# KiCad board CosmicWatch-ventidue.kicad_pcb (continued)
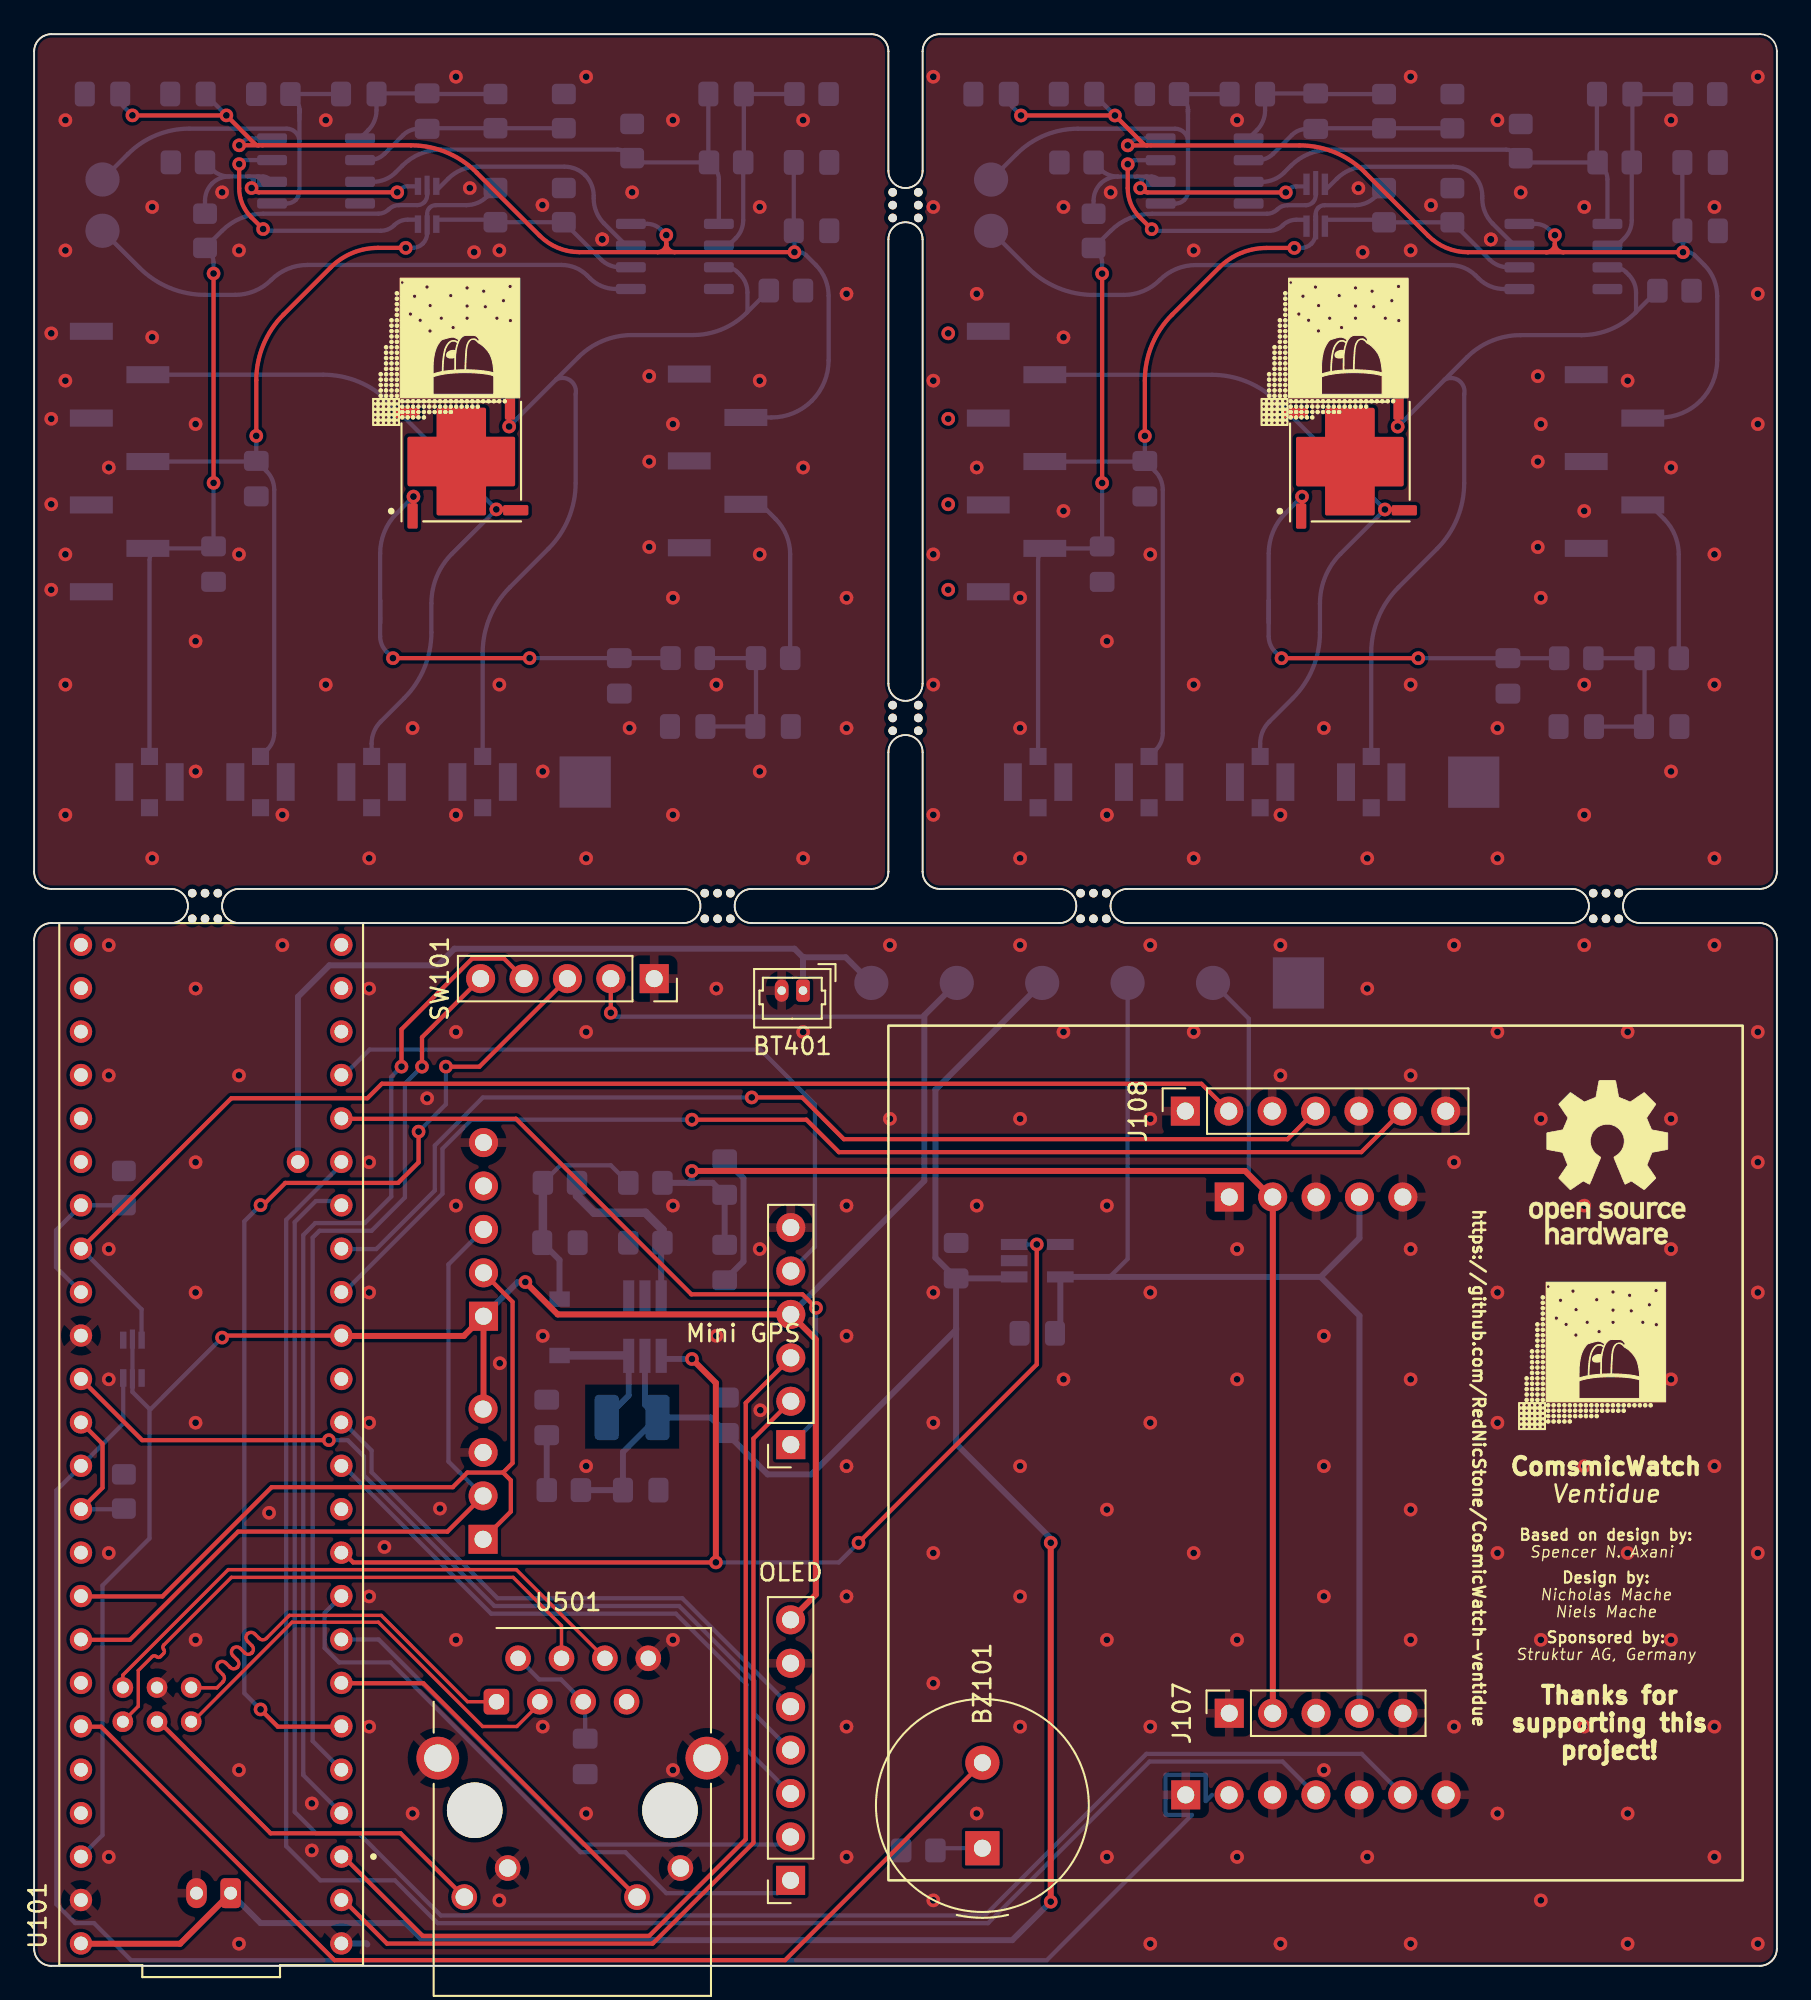
[diagram p0: board, top side]
## Nets
+3.3V: D101.2 D101.5 J109.4 J110.4 J111.7 J112.1 SW101.2 TP403.1 U101.3.3V_1 U101.3.3V_2
+3.6V: C402.1 J105.4 J107.4 TP402.1 U401.5
/Detector PCB 1/+3.6V: C301.1 C302.1 C306.1 C307.1 J101.2 U301.8 U302.8
/Detector PCB 1/GND: C301.2 C302.2 C303.2 C304.2 C305.2 C306.2 C307.2 C311.2 C312.2 J101.1 J101.3 J101.5 J102.1 J102.3 J102.5 J102.7 J301.2 J302.2 J303.2 J304.2 R303.2 R304.2 R306.2 R307.2 R309.2 R310.2 R312.2 TP303.1 U301.4 U302.4
/Detector PCB 2/+3.6V: C201.1 C202.1 C206.1 C207.1 J103.2 U201.8 U202.8
/Detector PCB 2/GND: C201.2 C202.2 C203.2 C204.2 C205.2 C206.2 C207.2 C211.2 C212.2 J103.1 J103.3 J103.5 J104.1 J104.3 J104.5 J104.7 J201.2 J202.2 J203.2 J204.2 R203.2 R204.2 R206.2 R207.2 R209.2 R210.2 R212.2 TP203.1 U201.4 U202.4
GND: BT401.2 C401.2 C402.2 C403.2 C404.2 C405.2 C406.2 C407.2 C408.2 C501.2 D101.1 D101.4 J105.1 J105.3 J105.5 J106.1 J106.3 J106.5 J106.7 J107.1 J107.3 J107.5 J108.1 J108.3 J108.5 J108.7 J109.3 J110.6 J111.6 J112.5 J401.2 R102.2 R105.2 R106.2 R401.1 SW101.1 TP401.1 U101.GND1 U101.GND2 U101.GND3 U101.GND5 U401.2 U402.1 U402.2 U501.8 U501.10 U501.12 U501.13
Vcc: C401.1 C404.1 C408.1 J401.1 L401.1 R404.2 TP406.1 U101.VIN U401.1 U402.5
+BATT: BT401.1 TP404.1 U101.VBAT
+V_{bias}: C406.1 C407.1 J105.2 J107.2 R403.2 TP405.1
/Buzzer: BZ101.2 U101.21
/D_{1}-F: D101.3 J106.2 U101.15
/D_{1}-P_{1}: J106.4 U101.27
/D_{1}-P_{2}: J106.6 U101.26
/D_{2}-F: D101.6 J108.2 U101.40
/D_{2}-P_{1}: J108.4 U101.25
/D_{2}-P_{2}: J108.6 U101.24
/Detector PCB 1/AMP_{1}: C308.2 R305.2 R306.1 TP301.1 U301.1 U301.5 U302.3
/Detector PCB 1/AMP_{2}: C310.2 R310.1 TP302.1 U302.5
/Detector PCB 1/F_{out}: D301.2 J102.2 J301.1
/Detector PCB 1/PEAK_{1}: C311.1 D302.2 J102.4 J304.1 R311.2
/Detector PCB 1/PEAK_{2}: C312.1 D302.5 J102.6 J303.1 R313.2
/Detector PCB 1/S_{out}: D301.3 J302.1 R303.1 U301.3
/Detector PCB 1/V_{bias}: J101.4 R301.1
/Detector PCB 2/AMP_{1}: C208.2 R205.2 R206.1 TP201.1 U201.1 U201.5 U202.3
/Detector PCB 2/AMP_{2}: C210.2 R210.1 TP202.1 U202.5
/Detector PCB 2/F_{out}: D201.2 J104.2 J201.1
/Detector PCB 2/PEAK_{1}: C211.1 D202.2 J104.4 J204.1 R211.2
/Detector PCB 2/PEAK_{2}: C212.1 D202.5 J104.6 J203.1 R213.2
/Detector PCB 2/S_{out}: D201.3 J202.1 R203.1 U201.3
/Detector PCB 2/V_{bias}: J103.4 R201.1
/Eth-LED_{1}: U101.LED U501.9
/Eth-LED_{2}: U101.5 U501.11
/Eth-RX+: U101.R+ U501.4
/Eth-RX-: U101.R- U501.6
/Eth-TX+: U101.T+ U501.1
/Eth-TX-: U101.T- U501.3
/GPS-EN: J110.1 U101.28
/GPS-PPS: J110.5 U101.29
/GPS-RX: J110.2 U101.0
/GPS-TX: J110.3 U101.1
/I^{2}C-SCL: J109.2 J112.3 U101.19
/I^{2}C-SDA: J109.1 J112.2 U101.18
/OLED-DC: J111.2 U101.6
/OLED-RST: J111.1 U101.7
/PWR-~{SHDN}: U101.8 U401.3 U402.4
/Rot-BTN: SW101.3 U101.4
/Rot-IL: SW101.5 U101.3
/Rot-IR: SW101.4 U101.2
/SPI-CLK: J111.4 U101.13
/SPI-CS_{1}: J111.3 U101.10
/SPI-CS_{2}: U101.36
/SPI-CS_{3}: U101.37
/SPI-M_{I}S_{O}: U101.12
/SPI-M_{O}S_{I}: J111.5 U101.11
Net-(BZ101-Pad1): BZ101.1 R102.1
Net-(C203-Pad1): C203.1 C204.1 R201.2 R202.1
Net-(C205-Pad1): C205.1 D201.1 R202.2
Net-(C208-Pad1): C208.1 R204.1 R205.1 U201.2
Net-(C209-Pad1): C209.1 R207.1 R208.1 U202.2
Net-(C209-Pad2): C209.2 C210.1 R208.2 U202.1
Net-(C303-Pad1): C303.1 C304.1 R301.2 R302.1
Net-(C305-Pad1): C305.1 D301.1 R302.2
Net-(C308-Pad1): C308.1 R304.1 R305.1 U301.2
Net-(C309-Pad1): C309.1 R307.1 R308.1 U302.2
Net-(C309-Pad2): C309.2 C310.1 R308.2 U302.1
Net-(C403-Pad1): C403.1 R404.1
Net-(C405-Pad1): C405.1 D401.1 R402.2 R403.1
Net-(C501-Pad1): C501.1 U501.2 U501.5
Net-(D202-Pad1): D202.1 R209.1 R211.1 U201.6
Net-(D202-Pad3): D202.3 U202.7
Net-(D202-Pad4): D202.4 R212.1 R213.1 U202.6
Net-(D202-Pad6): D202.6 U201.7
Net-(D302-Pad1): D302.1 R309.1 R311.1 U301.6
Net-(D302-Pad3): D302.3 U302.7
Net-(D302-Pad4): D302.4 R312.1 R313.1 U302.6
Net-(D302-Pad6): D302.6 U301.7
Net-(D401-Pad2): D401.2 L401.2 U402.6
Net-(R105-Pad1): R105.1 U101.14 U101.16
Net-(R106-Pad1): R106.1 U101.39 U101.41
Net-(R401-Pad2): R401.2 R402.1 U402.3

Pads without a net: D201 4 MP; D301 4 MP; J112 4; U101 9 17 20 22 23 30 31 32 33 34 35 38; U401 4; U501 7

## Via types
v1: diameter 0.8, hole 0.4, Top to Bottom, 306 vias

## Routing (per net, layer and track width the routed paths; a pad name or vN(x,y) marks a point on that pad's centre or on a via; arc(x,y) is an arc through that point)
+3.3V: length 142
  Top w0.25: v1(33.75,55.75) SW101.2 ; U101.3.3V_1 11.12,36.87 v1(11,36.75)
  Top w0.35: v1(28.75,40) 30.64,38.11 J110.4 45.75,36.64 45.75,21.71 J111.7 ; J109.4 26.3,32.59 J112.1 25.15,36.85 18.12,36.85
  Bottom w0.25: 6.75,32.57 6.75,25 4,22.25 4,7.65 U101.3.3V_2 ; 6.75,32.57 5.75,33.57 D101.2 D101.5 ; 6.75,32.57 6.82,32.57 v1(11,36.75) ; 52.1,55.6 52.03,55.53 33.98,55.53 v1(33.75,55.75)
  Bottom w0.35: J110.4 52.1,45.92 52.1,55.6 TP403.1 ; J112.1 28.3,40 v1(28.75,40)
+3.6V: length 68.4
  Bottom w0.25: 62.95,40.3 64,41.35 TP402.1
  Bottom w0.35: 75.3,40.3 77.57,42.57 J105.4 ; 75.3,40.3 77.57,38.03 J107.4 ; 75.3,40.3 U401.5 60.06,37.31 C402.1
/Detector PCB 1/+3.6V: length 71.8
  Top w0.25: 25.89,104.91 29.59,101.21 arc(30.65,100.5) 31.91,100.25 36.5,100.25 ; 36.5,100.25 37.5,100.25 ; 36.5,100.25 arc(36.85,100.4) 37,100.75 ; 37.5,100.25 v1(44.5,100.25) ; 37.5,100.25 arc(37.15,100.4) 37,100.75 ; 13.13,106.5 v1(12,106.5) ; 13.13,106.5 22.05,106.5 arc(24.13,106.09) 25.9,104.91 ; 13.13,106.5 arc(13.01,106.52) 12.91,106.59 v1(11.25,108.25) v1(5.75,108.25) ; v1(37,101.25) 37,100.75
  Bottom w0.25: C301.1 44.46,101.53 arc(44.47,101.5) 44.48,101.48 arc(44.5,101.46) 44.5,101.44 v1(44.5,100.25) 44.75,100.25 arc(44.98,100.2) 45.18,100.07 45.75,99.5 arc(46.31,98.67) 46.5,97.69 46.5,93.92 arc(46.25,92.64) 45.52,91.56 arc(44.43,90.83) 43.15,90.58 J101.2 ; v1(5.75,108.25) 5.23,108.77 arc(5.09,108.98) 5.04,109.23 C306.1 ; v1(37,101.25) 36.67,101.58 arc(36.31,101.82) 35.88,101.91 U301.8 ; C307.1 10.04,109.48 arc(10.04,109.46) 10.05,109.45 v1(11.25,108.25) ; v1(12,106.5) 12.2,106.7 arc(12.43,106.85) 12.69,106.91 U302.8
/Detector PCB 1/GND: length 0.2
  Bottom w0.25: C307.2 8,109.46 ; 46.5,105.46 C301.2 ; 46.5,101.54 C302.2
  vias: v1(1,95.5) v1(1,90.5) v1(1,85.5) v1(1,80.5) v1(1.83,107.97) v1(1.83,100.35) v1(1.83,92.73) v1(1.83,82.57) v1(1.83,74.95) v1(1.83,67.33) v1(4.37,87.65) v1(6.91,102.89) v1(6.91,95.27) v1(6.91,64.79) v1(9.45,90.19) v1(9.45,77.49) v1(9.45,69.87) v1(11,103.75) v1(11.99,100.35) v1(11.99,82.57) v1(14.53,67.33) v1(17.07,107.97) v1(17.07,74.95) v1(19.61,64.79) v1(22.15,72.41) v1(24.69,110.51) v1(24.69,67.33) v1(25.5,104) v1(25.75,100.25) v1(27.23,100.35) v1(27.23,74.95) v1(29.75,103) v1(29.77,69.87) v1(32.31,110.51) v1(32.31,64.79) v1(33.25,101) v1(33.25,101) v1(34.85,72.41) v1(35,103.75) v1(36,93) v1(36,88) v1(36,83) v1(37.39,107.97) v1(37.39,90.19) v1(37.39,80.03) v1(37.39,67.33) v1(39.93,74.95) v1(42.47,102.89) v1(42.47,92.73) v1(42.47,82.57) v1(42.47,69.87) v1(45.01,107.97) v1(45.01,87.65) v1(45.01,64.79) v1(47.55,97.81) v1(47.55,80.03) v1(47.55,72.41)
/Detector PCB 2/+3.6V: length 71.8
  Top w0.25: 65.13,106.5 v1(64.01,106.5) ; 65.13,106.5 74.06,106.5 arc(76.14,106.08) 77.91,104.9 ; 65.13,106.5 arc(65.02,106.52) 64.92,106.58 v1(63.26,108.25) v1(57.76,108.25) ; v1(96.51,100.25) 89.51,100.25 ; 89.51,100.25 88.51,100.25 ; 89.51,100.25 arc(89.16,100.39) 89.01,100.75 ; 88.51,100.25 83.92,100.25 arc(82.66,100.5) 81.6,101.21 77.9,104.9 ; 88.51,100.25 arc(88.86,100.39) 89.01,100.75 ; v1(89.01,101.25) 89.01,100.75
  Bottom w0.25: C207.1 62.05,109.48 arc(62.05,109.46) 62.06,109.44 v1(63.26,108.25) ; v1(57.76,108.25) 57.24,108.77 arc(57.1,108.98) 57.05,109.23 C206.1 ; v1(89.01,101.25) 88.68,101.57 arc(88.32,101.81) 87.89,101.9 U201.8 ; 93.66,90.57 95.16,90.57 arc(96.44,90.83) 97.53,91.55 arc(98.25,92.64) 98.51,93.92 98.51,97.68 arc(98.31,98.66) 97.76,99.5 97.19,100.07 arc(96.99,100.2) 96.76,100.25 v1(96.51,100.25) 96.51,101.43 arc(96.5,101.46) 96.49,101.48 arc(96.48,101.5) 96.47,101.52 C201.1 ; v1(64.01,106.5) 64.21,106.7 arc(64.44,106.85) 64.7,106.9 U202.8
/Detector PCB 2/GND: length 0.2
  Bottom w0.25: 98.51,101.53 98.55,101.5 ; 98.51,105.46 C201.2 ; C207.2 60.01,109.46
  vias: v1(52.63,110.51) v1(52.63,102.89) v1(52.63,92.73) v1(52.63,82.57) v1(52.63,74.95) v1(52.63,67.33) v1(55.17,97.81) v1(55.17,87.65) v1(57.71,80.03) v1(57.71,72.41) v1(57.71,64.79) v1(60.25,102.89) v1(60.25,95.27) v1(60.25,85.11) v1(62.79,77.49) v1(62.79,67.33) v1(63.01,103.75) v1(65.33,82.57) v1(67.87,100.35) v1(67.87,74.95) v1(67.87,64.79) v1(70.41,107.97) v1(72.95,67.33) v1(75.49,72.41) v1(77.51,104) v1(77.76,100.25) v1(78.03,64.79) v1(80.57,110.51) v1(80.57,100.35) v1(80.57,74.95) v1(81.76,103) v1(85.26,101) v1(85.26,101) v1(85.65,107.97) v1(85.65,72.41) v1(85.65,64.79) v1(87.01,103.75) v1(88.01,93) v1(88.01,88) v1(88.01,83) v1(88.19,90.19) v1(88.19,80.03) v1(90.73,102.89) v1(90.73,85.11) v1(90.73,74.95) v1(90.73,67.33) v1(93.27,92.73) v1(95.81,107.97) v1(95.81,87.65) v1(95.81,69.87) v1(98.35,102.89) v1(98.35,82.57) v1(98.35,74.95) v1(98.35,64.79) v1(100.89,110.51) v1(100.89,97.81) v1(100.89,90.19)
GND: length 9.8
  Bottom w0.25: 31.81,42.27 C405.2
  Bottom w0.35: C407.2 41.52,46.08 41.52,41.2 C406.2 40.41,39.9 ; U101.GND1 19.44,1.31 19.5,1.25
  vias: v1(4.37,59.71) v1(4.37,52.09) v1(4.37,41.93) v1(4.37,34.31) v1(4.37,24.15) v1(4.37,6.37) v1(9.45,57.17) v1(9.45,47.01) v1(9.45,39.39) v1(9.45,31.77) v1(9.45,19.07) v1(11.99,52.09) v1(11.99,11.45) v1(11.99,1.29) v1(13.75,26.5) v1(14.53,59.71) v1(16.25,9.5) v1(16.25,6.75) v1(19.61,57.17) v1(19.61,47.01) v1(19.61,39.39) v1(19.61,31.77) v1(19.61,21.61) v1(19.61,13.99) v1(20.5,24.5) v1(22.15,8.91) v1(23,50.75) v1(23.75,26.75) v1(24.69,54.63) v1(24.69,44.47) v1(24.69,19.07) v1(27.25,35.25) v1(27.23,3.83) v1(29.77,36.85) v1(29.77,13.99) v1(32.31,54.63) v1(32.31,29.23) v1(32.31,8.91) v1(37.39,44.47) v1(37.39,19.07) v1(37.39,11.45) v1(39.93,57.17) v1(39.93,36.85) v1(42.47,41.93) v1(42.5,32.5) v1(45.01,54.63) v1(47.55,44.47) v1(47.55,36.85) v1(47.55,29.23) v1(47.55,21.61) v1(47.55,13.99) v1(47.55,6.37) v1(50.09,59.71) v1(50.09,49.55) v1(52.63,39.39) v1(52.63,31.77) v1(52.63,24.15) v1(52.63,16.53) v1(52.63,3.83) v1(55.17,44.47) v1(55.17,8.91) v1(57.71,59.71) v1(57.71,49.55) v1(57.71,29.23) v1(57.71,21.61) v1(57.71,13.99) v1(60.25,54.63) v1(60.25,34.31) v1(62.79,44.47) v1(62.79,26.69) v1(62.79,19.07) v1(62.79,6.37) v1(65.33,59.71) v1(65.33,49.55) v1(65.33,39.39) v1(65.33,31.77) v1(65.33,13.99) v1(65.33,1.29) v1(67.87,54.63) v1(67.87,24.15) v1(70.41,41.93) v1(70.41,34.31) v1(70.41,19.07) v1(70.41,6.37) v1(72.95,59.71) v1(72.95,52.09) v1(72.95,1.29) v1(75.49,36.85) v1(75.49,29.23) v1(75.49,21.61) v1(75.49,11.45) v1(78.03,57.17) v1(78.03,6.37) v1(80.57,52.09) v1(80.57,41.93) v1(80.57,34.31) v1(80.57,26.69) v1(80.57,19.07) v1(80.57,1.29) v1(83.11,59.71) v1(83.11,47.01) v1(83.11,13.99) v1(85.65,54.63) v1(85.65,39.39) v1(85.65,31.77) v1(85.65,24.15) v1(85.65,8.91) v1(88.19,49.55) v1(88.19,19.07) v1(88.19,3.83) v1(90.73,59.71) v1(90.73,44.47) v1(90.73,36.85) v1(90.73,29.23) v1(90.73,13.99) v1(93.27,54.63) v1(93.27,24.15) v1(93.27,8.91) v1(93.27,1.29) v1(95.81,49.55) v1(95.81,41.93) v1(95.81,34.31) v1(95.81,19.07) v1(98.35,59.71) v1(98.35,29.23) v1(98.35,13.99) v1(98.35,6.37) v1(100.89,54.63) v1(100.89,47.01) v1(100.89,39.39) v1(100.89,24.15) v1(100.89,1.29)
Vcc: length 156.4
  Top w0.35: v1(59.5,3.75) v1(59.5,24.75) ; J401.1 8.54,1.29 2.88,1.29
  Bottom w0.35: R404.2 C408.1 34.46,30.05 L401.1 ; J401.1 13.25,2.5 21.75,2.5 22.75,1.5 57.25,1.5 v1(59.5,3.75) ; C401.1 52.75,41.42 52.75,51.25 TP406.1 ; C401.1 57.28,40.21 U401.1 ; C401.1 53.96,37.29 ; v1(59.5,24.75) 59.5,25 53.96,30.54 53.96,37.29 ; L401.1 35.75,32.82 U402.5 ; L401.1 39.6,32.08 C404.1 42.93,28.75 45.5,28.75 53.96,37.21 53.96,37.29
(no net):
  vias: v1(53.5,95.5) v1(53.5,90.5) v1(53.5,85.5) v1(53.5,80.5)
+BATT: length 47.2
  Bottom w0.35: 45.03,58.97 45.05,59 47.5,59 TP404.1 ; 45.03,58.97 45,58.95 BT401.1 ; 45.03,58.97 44.5,59.5 24.6,59.5 23.63,58.53 17.28,58.53 15.44,56.69 U101.VBAT
+V_{bias}: length 86.5
  Top w0.35: 72.5,14.8 72.5,44.88 70.88,46.5 v1(38.5,46.5) 38.6,46.6
  Bottom w0.25: TP405.1 71.1,55.41 71.1,46.37 J105.2
  Bottom w0.35: 38.3,45.8 39.72,45.8 C407.1 C406.1 ; 38.3,45.8 R403.2 ; 38.3,45.8 38.5,46 v1(38.5,46.5)
/Buzzer: length 63.1
  Top w0.25: BZ101.2 43.95,0.33 17.57,0.33 3.92,13.99 2.88,13.99
/D_{1}-F: length 112
  Bottom w0.25: 68.94,10 68.58,9.63 68.58,11.17 66.23,11.17 66.23,8.82 67.77,8.82 59.27,0.32 5.67,0.32 3.5,2.5 2.4,2.5 1.3,3.6 1.3,27.81 2.72,29.23 ; D101.3 5.21,31.72 U101.15
/D_{1}-P_{1}: length 108.3
  Bottom w0.25: 18.12,47.01 14.75,43.64 14.75,7 16.75,5 21.11,5 23.62,2.49 55.83,2.49 65.29,11.95 73.07,11.95 J106.4
/D_{1}-P_{2}: length 110.3
  Bottom w0.25: 18.12,44.47 17.85,44.74 16.49,44.74 15.25,43.5 15.25,9 16.5,7.75 19,7.75 23.81,2.94 55.64,2.94 65.1,12.4 77.7,12.4 J106.6
/D_{2}-F: length 78.7
  Top w0.25: J108.2 68.32,51.6 20.35,51.6 19.5,50.75 11.54,50.75 U101.40
  Bottom w0.25: U101.40 6.29,38.4 D101.6
/D_{2}-P_{1}: length 63.8
  Top w0.25: J108.4 73.36,48.36 47.39,48.36 44.95,50.8 v1(42,50.8)
  Bottom w0.25: 18.12,41.93 20.02,41.93 23.45,45.36 23.45,47.99 26.26,50.8 v1(42,50.8)
/D_{2}-P_{2}: length 69.5
  Top w0.25: v1(38.5,49.5) 45.2,49.5 47.1,47.6 77.68,47.6 J108.6
  Bottom w0.25: 18.12,39.39 23.9,45.17 23.9,47.8 25.6,49.5 v1(38.5,49.5)
/Detector PCB 1/AMP_{1}: length 62.1
  Bottom w0.25: 39.46,105.56 C308.2 ; U302.3 19.84,104.37 arc(20.55,104.51) 21.15,104.91 21.55,105.31 arc(22.59,106.01) 23.83,106.25 34.15,106.25 arc(34.47,106.19) 34.75,106 35.13,105.62 arc(35.26,105.53) 35.43,105.5 39.47,105.5 ; TP301.1 6.16,99.34 arc(7.92,98.16) 10,97.75 11.76,97.75 arc(12.91,97.98) 13.88,98.62 arc(14.84,99.27) 15.99,99.5 30.88,99.5 arc(31.68,99.34) 32.37,98.88 32.53,98.72 arc(33.22,98.26) 34.04,98.09 U301.5 ; U301.1 40.08,104.52 arc(40,104.89) 39.79,105.21 R305.2
/Detector PCB 1/AMP_{2}: length 23.4
  Bottom w0.25: 15.53,106.72 15.53,108.6 arc(15.46,108.95) 15.26,109.24 arc(15.23,109.41) 15.37,109.5 C310.2 ; 15.53,106.72 15.53,103.83 arc(15.47,103.55) 15.31,103.31 arc(15.07,103.15) 14.79,103.09 U302.5 ; 15.53,106.72 arc(15.31,107.26) 14.78,107.47 9.08,107.47 arc(7.14,107.09) 5.49,105.99 TP302.1
/Detector PCB 1/F_{out}: length 41.6
  Top w0.25: D301.2 28.16,85.17 arc(28.13,85.19) 28.1,85.2 v1(27.05,85.2)
  Bottom w0.25: J301.1 19.75,71.5 arc(19.89,72.19) 20.28,72.78 21.66,74.16 arc(22.84,75.92) 23.25,78 23.25,79.7 arc(23.56,81.27) 24.45,82.6 v1(27.05,85.2) 20.76,91.49 arc(19,92.67) 16.92,93.08 J102.2
/Detector PCB 1/PEAK_{1}: length 49
  Top w0.25: v1(21.75,100.5) 20.13,100.5 arc(18.62,100.2) 17.35,99.35 14.59,96.59 arc(13.41,94.83) 13,92.75 v1(13,89.5)
  Bottom w0.25: 7.16,88 12.94,88 arc(12.96,88) 12.98,88.02 ; J304.1 13.65,71.15 arc(13.95,71.59) 14.05,72.12 14.05,86.35 arc(13.93,86.94) 13.6,87.44 C311.1 ; v1(21.75,100.5) 22.15,100.5 arc(22.47,100.56) 22.75,100.75 arc(22.94,101.03) 23,101.35 23,102.49 arc(23.04,102.68) 23.15,102.85 arc(23.32,102.96) 23.51,103 25.29,103 arc(25.95,103.13) 26.5,103.5 R311.2 ; 13,88.06 v1(13,89.5) ; 13,88.06 arc(13,88.04) 13.02,88.02 arc(13,88.03) 12.98,88.02 ; 13,88.06 arc(13,88.04) 12.98,88.02
/Detector PCB 1/PEAK_{2}: length 47.6
  Top w0.25: v1(10.5,99) v1(10.5,86.75)
  Bottom w0.25: 23,103.92 23,103.57 arc(22.96,103.35) 22.83,103.17 arc(22.65,103.04) 22.43,103 21.35,103 arc(21.03,102.94) 20.75,102.75 arc(20.47,102.56) 20.15,102.5 13.41,102.5 arc(12.11,102.24) 11,101.5 10.25,100.75 arc(10.15,100.5) 10.25,100.25 arc(10.44,99.97) 10.5,99.65 v1(10.5,99) ; v1(10.5,86.75) 10.5,83.12 arc(10.48,83.04) 10.44,82.98 arc(10.38,82.94) 10.3,82.92 7.44,82.92 arc(7.18,82.87) 6.95,82.72 arc(6.8,82.49) 6.75,82.23 J303.1
/Detector PCB 1/S_{out}: length 47.7
  Top w0.25: v1(27.8,90.05) 27.8,91.1 arc(27.81,91.13) 27.83,91.16 D301.3
  Bottom w0.25: R303.1 41.7,96.7 arc(40.26,95.74) 38.56,95.4 34.99,95.4 arc(33.29,95.06) 31.85,94.1 30.55,92.8 ; J302.1 26.25,76.8 arc(26.66,78.88) 27.84,80.64 30.1,82.9 arc(31.28,84.66) 31.69,86.75 31.69,91.94 arc(31.39,92.73) 30.55,92.8 ; 41.75,96.75 41.75,97.89 arc(41.64,98.45) 41.32,98.93 41.17,99.08 arc(40.85,99.29) 40.48,99.37 U301.3 ; 30.55,92.8 v1(27.8,90.05)
/Detector PCB 1/V_{bias}: length 10.4
  Bottom w0.25: R301.1 44.25,82.58 arc(44.03,83.7) 43.4,84.64 42.85,85.18 arc(42.51,85.42) 42.1,85.5 J101.4
/Detector PCB 2/AMP_{1}: length 62.1
  Bottom w0.25: 91.48,105.5 87.44,105.5 arc(87.27,105.53) 87.13,105.62 86.76,106 arc(86.48,106.18) 86.16,106.25 75.84,106.25 arc(74.6,106) 73.56,105.3 73.16,104.9 arc(72.56,104.5) 71.85,104.36 U202.3 ; U201.1 92.08,104.51 arc(92.01,104.89) 91.8,105.21 R205.2 ; 91.47,105.56 91.47,109.5 ; TP201.1 58.17,99.34 arc(59.93,98.16) 62.01,97.75 63.77,97.75 arc(64.91,97.97) 65.88,98.62 arc(66.85,99.27) 68,99.5 82.88,99.5 arc(83.69,99.33) 84.38,98.88 84.54,98.72 arc(85.23,98.25) 86.05,98.09 U201.5
/Detector PCB 2/AMP_{2}: length 23.4
  Bottom w0.25: C210.2 67.38,109.5 arc(67.24,109.4) 67.27,109.23 arc(67.47,108.94) 67.53,108.6 67.53,106.72 ; 67.53,106.72 67.53,103.82 arc(67.48,103.54) 67.32,103.31 arc(67.08,103.15) 66.8,103.09 U202.5 ; 67.53,106.72 arc(67.31,107.25) 66.78,107.47 61.09,107.47 arc(59.14,107.08) 57.5,105.98 TP202.1
/Detector PCB 2/F_{out}: length 41.6
  Top w0.25: D201.2 80.17,85.17 arc(80.14,85.19) 80.11,85.19 v1(79.06,85.19)
  Bottom w0.25: J201.1 71.76,71.5 arc(71.9,72.19) 72.29,72.78 73.67,74.15 arc(74.84,75.92) 75.26,78 75.26,79.7 arc(75.57,81.27) 76.46,82.6 v1(79.06,85.19) 72.77,91.48 arc(71.01,92.66) 68.92,93.08 58.66,93.08
/Detector PCB 2/PEAK_{1}: length 49
  Top w0.25: v1(73.76,100.5) 72.13,100.5 arc(70.63,100.2) 69.36,99.35 66.6,96.59 arc(65.42,94.82) 65.01,92.74 v1(65.01,89.5)
  Bottom w0.25: J204.1 65.66,71.14 arc(65.96,71.59) 66.06,72.11 66.06,86.35 arc(65.94,86.93) 65.61,87.43 C211.1 ; R211.2 78.51,103.5 arc(77.96,103.12) 77.3,103 75.52,103 arc(75.33,102.96) 75.16,102.84 arc(75.05,102.68) 75.01,102.48 75.01,101.35 arc(74.94,101.02) 74.76,100.75 arc(74.48,100.56) 74.16,100.5 v1(73.76,100.5) ; 65.01,88.06 v1(65.01,89.5) ; 65.01,88.06 arc(65,88.03) 64.99,88.01 ; 65.01,88.06 arc(65.01,88.03) 65.03,88.01 arc(65.01,88.02) 64.99,88.01 ; 59.16,88 64.94,88 arc(64.97,88) 64.99,88.01
/Detector PCB 2/PEAK_{2}: length 47.6
  Top w0.25: v1(62.51,99) v1(62.51,86.75)
  Bottom w0.25: 58.76,70.75 58.76,82.22 arc(58.81,82.49) 58.96,82.71 arc(59.19,82.86) 59.45,82.91 62.31,82.91 arc(62.39,82.93) 62.45,82.97 arc(62.49,83.04) 62.51,83.12 v1(62.51,86.75) ; 75.01,103.92 75.01,103.57 arc(74.97,103.35) 74.84,103.16 arc(74.65,103.04) 74.43,103 73.36,103 arc(73.04,102.93) 72.76,102.75 arc(72.48,102.56) 72.16,102.5 65.42,102.5 arc(64.12,102.24) 63.01,101.5 62.26,100.75 arc(62.16,100.5) 62.26,100.25 arc(62.44,99.97) 62.51,99.64 v1(62.51,99)
/Detector PCB 2/S_{out}: length 47.7
  Top w0.25: v1(79.81,90.04) 79.81,91.1 arc(79.82,91.13) 79.83,91.16 D201.3
  Bottom w0.25: 95.01,98 93.71,96.69 arc(92.27,95.73) 90.57,95.4 87,95.4 arc(85.3,95.06) 83.86,94.09 82.56,92.79 ; 93.76,96.75 93.76,97.88 arc(93.65,98.45) 93.33,98.93 93.18,99.07 arc(92.86,99.29) 92.49,99.36 U201.3 ; 82.56,92.79 v1(79.81,90.04) ; 82.56,92.79 arc(83.4,92.73) 83.7,91.94 83.7,86.74 arc(83.29,84.66) 82.11,82.89 79.85,80.64 arc(78.67,78.87) 78.26,76.79 J202.1
/Detector PCB 2/V_{bias}: length 10.4
  Bottom w0.25: 93.66,85.49 94.11,85.49 arc(94.52,85.41) 94.86,85.18 95.4,84.64 arc(96.04,83.69) 96.26,82.57 R201.1
/Eth-LED_{1}: length 22.1
  Top w0.25: U501.9 21.44,7.75 13.84,7.75 7.33,14.26
/Eth-LED_{2}: length 22.3
  Top w0.25: 18.12,16.53 22.77,16.53 U501.11
/Eth-RX+: length 33.9
  Top w0.2: U501.4 30.86,19.89 28.03,22.73 11.54,22.73 7.58,18.76 arc(7.53,18.64) 7.58,18.52 arc(7.63,18.39) 7.58,18.27 7.39,18.09 arc(7.27,18.04) 7.15,18.09 arc(7.03,18.14) 6.91,18.09 6.09,17.28 6.09,15.18 U101.R+
/Eth-RX-: length 33.6
  Top w0.2: U501.6 28.22,23.17 11.36,23.17 5.19,17.01 U101.R-
/Eth-TX+: length 25.8
  Top w0.2: 9.33,16.26 10.69,16.26 11.05,16.61 arc(11.13,16.82) 11.05,17.04 10.79,17.3 arc(10.7,17.51) 10.79,17.72 arc(11,17.81) 11.21,17.72 11.47,17.46 arc(11.68,17.37) 11.9,17.46 arc(11.98,17.67) 11.9,17.89 11.63,18.15 arc(11.55,18.36) 11.63,18.57 arc(11.85,18.66) 12.06,18.57 12.32,18.31 arc(12.53,18.22) 12.74,18.31 arc(12.83,18.52) 12.74,18.73 12.48,18.99 arc(12.4,19.21) 12.48,19.42 arc(12.7,19.51) 12.91,19.42 13.17,19.16 arc(13.38,19.07) 13.59,19.16 14.93,20.5 20.32,20.5 25.37,15.45 U501.1
/Eth-TX-: length 25.8
  Top w0.2: 9.28,14.28 15.1,20.1 20.15,20.1 26.25,14 28.25,14 29.6,15.34
/GPS-EN: length 40.8
  Top w0.25: 18.12,49.55 28.2,49.55 38.47,39.28 44.97,39.28 45.75,38.5
  Top w0.35: 45.75,38.5 v1(45.76,38.49)
  Bottom w0.25: J110.1 45.76,31.96 v1(45.76,38.49)
/GPS-PPS: length 39.9
  Bottom w0.25: 18.12,52.09 19.63,53.6 42.5,53.6 45.7,50.4 45.7,42.06 J110.5
/GPS-RX: length 54.2
  Top w0.25: 18.12,3.83 20.65,1.3 36.2,1.3 42.1,7.2 42.1,30.84 J110.2
/GPS-TX: length 57
  Top w0.25: 18.12,6.37 22.74,1.75 36,1.75 41.65,7.4 41.65,32.93 J110.3
/I^{2}C-SCL: length 44.2
  Top w0.25: J109.2 24.19,25.4 11.94,25.4 5.61,19.07 2.88,19.07
  Bottom w0.25: J112.3 24.25,41.03 24.25,29.5 24.89,28.86 24.9,28.86 J109.2
/I^{2}C-SDA: length 45
  Top w0.25: J109.1 27.9,26.58 27.9,28.4 27.45,28.86 ; J112.2 28,38.84 28,29.41 27.45,28.86 ; 2.88,21.61 7.51,21.61 13.9,28 24.5,28 25.36,28.86 27.45,28.86
/OLED-DC: length 31.3
  Bottom w0.25: 18.12,19.07 18.14,19.09 20.16,19.09 32.15,7.1 43.83,7.1 J111.2
/OLED-RST: length 37
  Bottom w0.25: J111.1 43.52,4.25 37,4.25 34.6,6.65 31.97,6.65 20.86,17.75 17.84,17.75 17,18.59 17,20.65 U101.7
/PWR-~{SHDN}: length 68.3
  Top w0.25: v1(39.9,23.6) 18.67,23.6 18.12,24.15 ; v1(48.25,24.75) 58.68,35.18 v1(58.68,42.2)
  Top w0.35: v1(38.5,35.5) 39.9,34.1 v1(39.9,23.6)
  Bottom w0.25: v1(58.68,42.2) U401.3 ; v1(48.25,24.75) 47.1,23.6 v1(39.9,23.6)
  Bottom w0.35: U402.4 36.88,35.5 v1(38.5,35.5)
/Rot-BTN: length 61.4
  Top w0.25: v1(13.25,15) 14.26,13.99 18.12,13.99 ; v1(22.5,48.8) 22.5,47 21.3,45.8 14.7,45.8 13.4,44.5 v1(13.25,44.5) ; SW101.3 26.06,52.6 v1(24.1,52.6)
  Bottom w0.25: v1(24.1,52.6) 24.1,50.4 v1(22.5,48.8) ; v1(13.25,44.5) 12.3,43.55 12.3,15.95 v1(13.25,15)
/Rot-IL: length 52.8
  Top w0.25: v1(22.7,52.6) 22.7,54.32 SW101.5
  Bottom w0.25: U101.3 16.3,13.15 16.3,42.6 16.7,43 19.75,43 21.7,44.95 21.7,51.6 v1(22.7,52.6)
/Rot-IR: length 60.3
  Top w0.25: SW101.4 27.5,58.92 25.64,58.92 21.5,54.78 v1(21.5,52.6)
  Bottom w0.25: U101.2 15.75,11.16 15.75,11.28 ; v1(21.5,52.6) 20.9,52 20.9,45 19.35,43.45 16.45,43.45 15.75,42.75 15.75,11.25
/SPI-CLK: length 52.3
  Top w0.25: U101.13 6.32,30.75 v1(17.25,30.75)
  Bottom w0.25: v1(17.25,30.75) 18.35,30.75 19.3,29.8 19.3,28.69 26.94,21.05 37.75,21.05 42.15,16.65 42.15,14.75 J111.4
/SPI-CS_{1}: length 36.3
  Bottom w0.25: J111.3 41.7,12.66 41.7,16.46 37.56,20.6 26.75,20.6 18.12,29.23
/SPI-M_{O}S_{I}: length 33.8
  Bottom w0.25: 18.12,31.77 19.75,30.14 19.75,28.87 27.12,21.5 37.94,21.5 J111.5
Net-(BZ101-Pad1): length 2.8
  Bottom w0.25: R102.1 52.88,6.88 BZ101.1
Net-(C203-Pad1): length 9.9
  Bottom w0.25: C203.1 94.19,72.5 arc(94.22,72.5) 94.24,72.51 arc(94.25,72.53) 94.26,72.56 R201.2 R202.1
Net-(C205-Pad1): length 30.4
  Top w0.25: v1(73.01,76.5) v1(81.01,76.5) ; v1(74.21,85.95) 74.21,84.89 arc(74.2,84.86) 74.18,84.83 D201.1
  Bottom w0.25: 72.26,79.86 72.26,82.62 arc(72.51,83.89) 73.23,84.97 v1(74.21,85.95) ; 72.26,79.86 72.26,77.78 arc(72.36,77.29) 72.63,76.87 v1(73.01,76.5) ; 72.26,79.86 72.26,78.56 72.26,79.86 ; v1(81.01,76.5) C205.1 R202.2
Net-(C208-Pad1): length 12.6
  Bottom w0.25: 96.51,109.5 93.55,109.5 93.55,105.56 ; R205.1 93.51,102.11 arc(93.4,101.54) 93.08,101.06 92.84,100.83 arc(92.62,100.68) 92.36,100.63 U201.2
Net-(C209-Pad1): length 12.6
  Bottom w0.25: U202.2 71.61,105.63 arc(72.1,105.73) 72.52,106 73.6,107.09 arc(74.01,107.36) 74.49,107.46 C209.1 ; R207.1 R208.1 75.07,107.5 arc(75.05,107.49) 75.03,107.48 arc(75.01,107.46) 74.98,107.46
Net-(C209-Pad2): length 9.9
  Bottom w0.25: R208.2 75.07,109.5 arc(75.05,109.5) 75.03,109.51 arc(75.01,109.53) 74.98,109.53 72.11,109.53 arc(72.09,109.53) 72.07,109.51 ; U202.1 71.57,107.38 arc(71.92,107.91) 72.05,108.54 C210.1
Net-(C303-Pad1): length 9.9
  Bottom w0.25: C303.1 42.19,72.5 arc(42.21,72.5) 42.23,72.52 arc(42.25,72.54) 42.25,72.56 R301.2 R302.1
Net-(C305-Pad1): length 30.4
  Top w0.25: v1(21,76.5) v1(29,76.5) ; D301.1 22.18,84.84 arc(22.19,84.87) 22.2,84.9 v1(22.2,85.95)
  Bottom w0.25: 20.25,79.87 20.25,78.56 20.25,79.87 ; 20.25,79.87 20.25,77.78 arc(20.35,77.29) 20.63,76.88 v1(21,76.5) ; 20.25,79.87 20.25,82.62 arc(20.5,83.9) 21.22,84.97 v1(22.2,85.95) ; R302.2 C305.1 v1(29,76.5)
Net-(C308-Pad1): length 12.6
  Bottom w0.25: 41.54,105.56 C308.1 R304.1 ; U301.2 40.36,100.63 arc(40.61,100.69) 40.83,100.83 41.07,101.07 arc(41.39,101.55) 41.5,102.11 R305.1
Net-(C309-Pad1): length 12.6
  Bottom w0.25: U302.2 19.61,105.63 arc(20.09,105.73) 20.51,106.01 21.6,107.1 arc(22,107.37) 22.48,107.46 C309.1 ; R307.1 R308.1 23.06,107.5 arc(23.04,107.5) 23.02,107.48 arc(23,107.47) 22.97,107.46
Net-(C309-Pad2): length 9.9
  Bottom w0.25: C310.1 20.04,108.55 arc(19.91,107.92) 19.56,107.39 U302.1 ; R308.2 23.06,109.5 arc(23.04,109.5) 23.02,109.52 arc(23,109.53) 22.97,109.54 20.1,109.54 arc(20.08,109.53) 20.06,109.52
Net-(C403-Pad1): length 3.2
  Bottom w0.35: R404.1 C403.1
Net-(C405-Pad1): length 13.1
  Bottom w0.25: R403.1 33.75,46.83 30.8,46.83 R402.2
  Bottom w0.35: D401.1 30.75,41.29 C405.1
  Bottom w0.5: C405.1 29.78,42.34 R402.2
Net-(C501-Pad1): length 7.1
  Bottom w0.25: C501.1 32.25,15.33 U501.5 30.84,16.75 29.57,16.75 U501.2
Net-(D202-Pad1): length 12.4
  Bottom w0.25: U201.6 86.29,99.36 arc(85.69,99.48) 85.19,99.82 R209.1 ; 75.55,102.15 78.75,102.15 arc(78.85,102.13) 78.93,102.07 arc(79.02,102.01) 79.12,102 82.91,102
Net-(D202-Pad3): length 15.6
  Top w0.25: v1(65.41,101.59) 64.71,102.3 arc(64.19,103.07) 64.01,103.98 v1(64.01,105.39)
  Bottom w0.25: 74.47,102.15 73.87,102.15 arc(73.44,102.06) 73.08,101.82 arc(72.72,101.58) 72.3,101.5 65.58,101.5 arc(65.51,101.51) 65.46,101.55 v1(65.41,101.59) ; v1(64.01,105.39) 64.13,105.51 arc(64.26,105.6) 64.41,105.63 U202.7
Net-(D202-Pad4): length 18.6
  Top w0.25: v1(73.26,103.75) 65.16,103.75 arc(65,103.78) 64.86,103.87 v1(64.73,104)
  Bottom w0.25: 63.42,104.67 64.55,104.67 ; 63.42,104.67 arc(62.88,104.56) 62.42,104.26 arc(62.12,103.8) 62.01,103.26 R213.1 ; 63.42,104.67 arc(62.88,104.78) 62.42,105.08 R212.1 ; 64.55,104.67 65.12,104.67 ; 64.55,104.67 arc(64.75,104.59) 64.83,104.38 ; v1(73.26,103.75) 73.43,103.92 arc(73.63,104.05) 73.86,104.09 74.47,104.09 ; 65.12,104.67 65.4,104.67 arc(65.61,104.63) 65.78,104.52 U202.6 ; 65.12,104.67 arc(64.92,104.59) 64.83,104.38 ; 64.83,104.38 64.83,104.17 arc(64.82,104.1) 64.78,104.05 v1(64.73,104)
Net-(D202-Pad6): length 14.5
  Bottom w0.25: U201.7 86.8,100.63 arc(86.67,100.66) 86.56,100.73 85.37,101.92 arc(84.92,102.59) 84.76,103.39 84.76,103.54 arc(84.63,104.19) 84.26,104.75 arc(83.71,105.12) 83.05,105.25 77.94,105.25 arc(77.02,105.06) 76.25,104.55 75.55,103.84
Net-(D302-Pad1): length 12.4
  Bottom w0.25: 30.9,102 27.11,102 arc(27.01,102.02) 26.93,102.08 arc(26.84,102.13) 26.74,102.15 23.54,102.15 ; R309.1 33.18,99.82 arc(33.68,99.48) 34.28,99.37 U301.6
Net-(D302-Pad3): length 15.6
  Top w0.25: v1(13.4,101.6) 12.7,102.3 arc(12.18,103.08) 12,103.99 v1(12,105.4)
  Bottom w0.25: v1(13.4,101.6) 13.45,101.55 arc(13.51,101.51) 13.57,101.5 20.29,101.5 arc(20.72,101.58) 21.08,101.83 arc(21.43,102.07) 21.86,102.15 22.46,102.15 ; v1(12,105.4) 12.12,105.52 arc(12.25,105.6) 12.4,105.63 U302.7
Net-(D302-Pad4): length 18.6
  Top w0.25: v1(12.72,104) 12.85,103.88 arc(12.99,103.78) 13.15,103.75 v1(21.25,103.75)
  Bottom w0.25: v1(21.25,103.75) 21.43,103.92 arc(21.62,104.05) 21.85,104.1 D302.4 ; U302.6 13.77,104.52 arc(13.6,104.63) 13.4,104.67 13.11,104.67 ; 11.41,104.67 12.54,104.67 ; 11.41,104.67 arc(10.87,104.57) 10.41,104.26 arc(10.11,103.81) 10,103.27 R313.1 ; 11.41,104.67 arc(10.87,104.78) 10.41,105.09 R312.1 ; 12.54,104.67 13.11,104.67 ; 12.54,104.67 arc(12.74,104.59) 12.83,104.39 ; 13.11,104.67 arc(12.91,104.59) 12.83,104.39 ; v1(12.72,104) 12.77,104.05 arc(12.81,104.11) 12.83,104.17 12.83,104.39
Net-(D302-Pad6): length 14.5
  Bottom w0.25: U301.7 34.79,100.63 arc(34.66,100.66) 34.55,100.73 33.36,101.93 arc(32.91,102.6) 32.75,103.39 32.75,103.54 arc(32.62,104.2) 32.25,104.75 arc(31.7,105.12) 31.04,105.25 25.93,105.25 arc(25.01,105.07) 24.24,104.55 23.54,103.85
Net-(D401-Pad2): length 8.2
  Bottom w0.35: U402.6 34.8,33.37 L401.2
  Bottom w0.5: D401.2 34.78,35.7 U402.6
Net-(R105-Pad1): length 8.7
  Top w0.25: U101.16 4,27.97 4,30.53 U101.14
  Bottom w0.25: U101.16 5.21,26.71 R105.1
Net-(R106-Pad1): length 8.8
  Bottom w0.25: R106.1 5.24,44.49 U101.39 1.28,43.03 1.28,40.87 U101.41
Net-(R401-Pad2): length 10.7
  Bottom w0.25: R401.2 36.66,42.3
  Bottom w0.35: U402.3 36.7,42.23 R401.2
  Bottom w0.5: R401.2 36.78,43.05 35.78,44.05 32.78,44.05 31.78,45.05 R402.1

## Copper pours and planes (outline as drawn; the poured copper is in the pictures)
/Detector PCB 1/GND on Top, Bottom: 50,63 0,63 0,113 50,113
/Detector PCB 2/GND on Top, Bottom: 52.01,63 102.01,63 102.01,113 52.01,113
GND on Top, Bottom: 102,0 0,0 0,61 102,61
/Detector PCB 1/AMP_{1} on Bottom: 37.75,101 37.25,100.5 36.25,100.5 36.25,98.5 34.25,98.5 34.25,97.75 38.75,97.75 38.75,101.5 40.75,101.5 40.75,102.25 37.75,102.25
/Detector PCB 2/AMP_{1} on Bottom: 89.76,101 89.26,100.5 88.26,100.5 88.26,98.5 86.26,98.5 86.26,97.75 90.76,97.75 90.76,101.5 92.76,101.5 92.76,102.25 89.76,102.25

## Text on the board
B.Mask: Rev: ${REVISION}
B.Silkscreen: Spencer N. Axani | Nicholas Mache | Niels Mache | Struktur AG, Germany | Based on design by: | Design by: | Sponsored by: | https://github.com/RedNicStone/CosmicWatch-ventidue | AMP_{2} | AMP_{1} | PEAK_{2} | PEAK_{1} | F_{out} | S_{out} | GND | +BATT | +3.3V | +5V | +3.6V | +V_{bias} | Ventidue | ComsmicWatch | Thanks for / supporting this / project!
F.Mask: Rev: ${REVISION}
F.Silkscreen: Spencer N. Axani | Nicholas Mache | Niels Mache | Struktur AG, Germany | Based on design by: | Design by: | Sponsored by: | https://github.com/RedNicStone/CosmicWatch-ventidue | Ventidue | ComsmicWatch | Thanks for / supporting this / project!
